# Altium PCB StarKit PCB.PcbDoc (part 1 of 2) (continued)
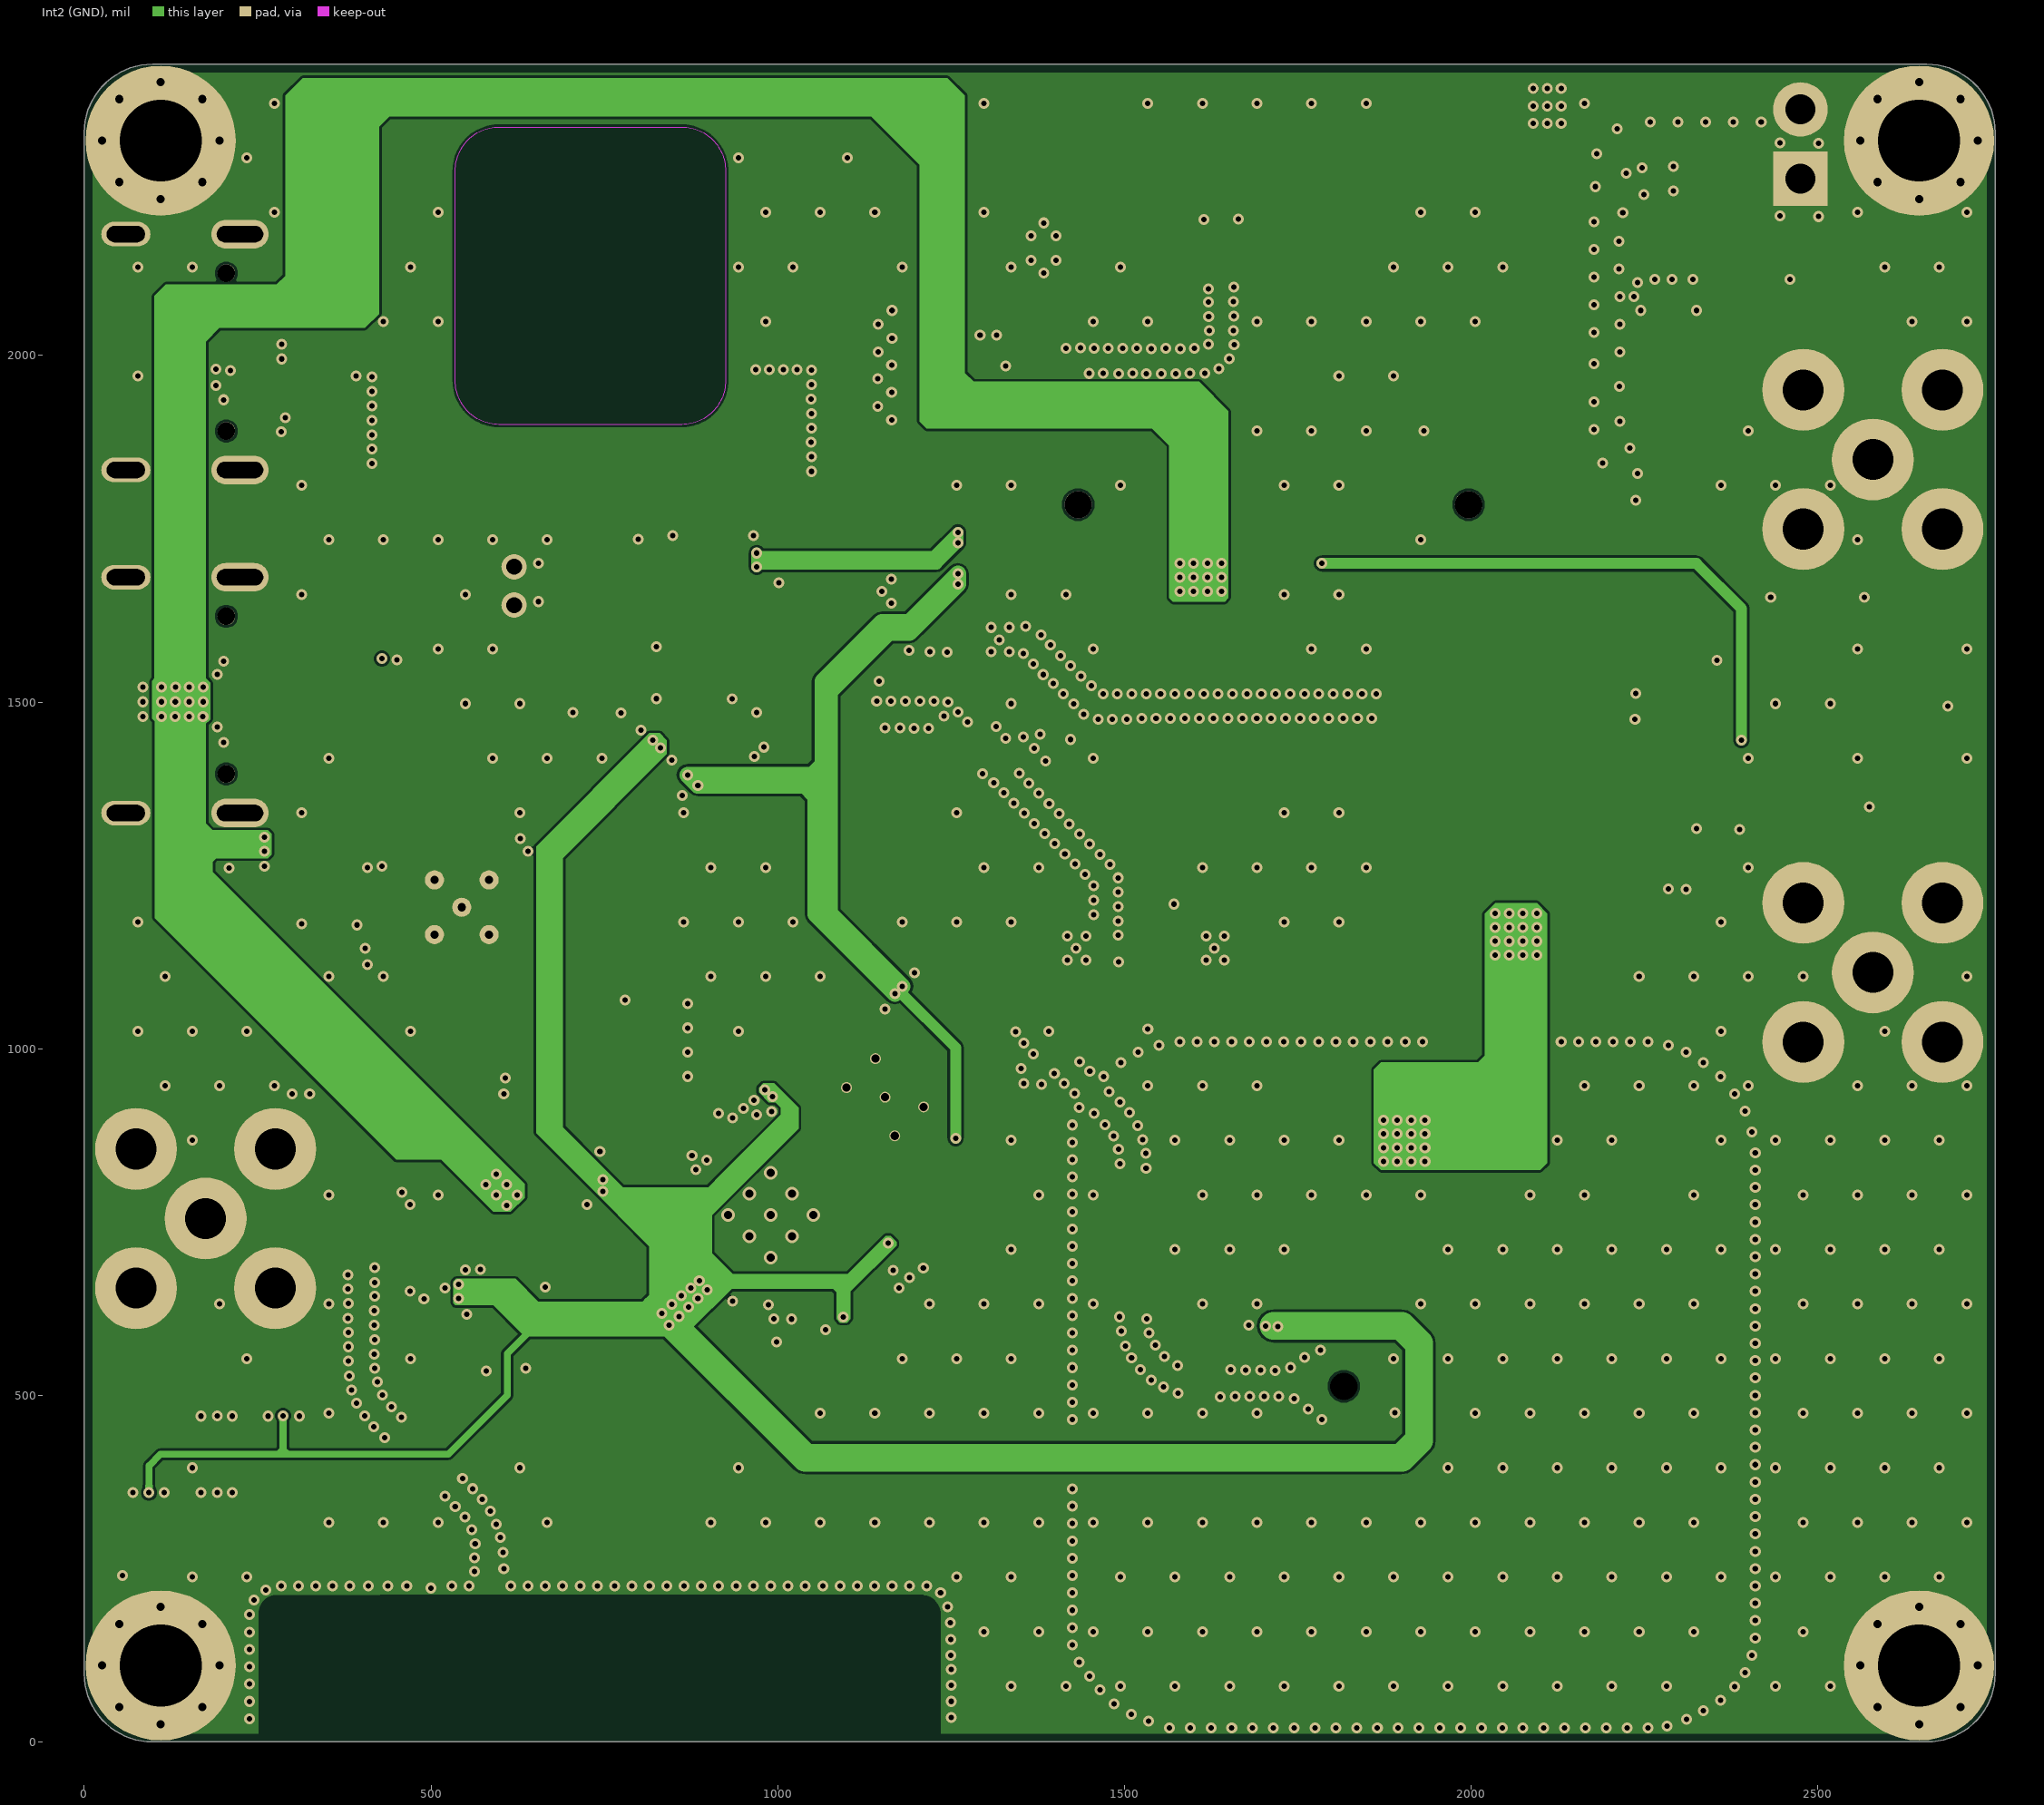
[diagram p3: Int2 (GND)]
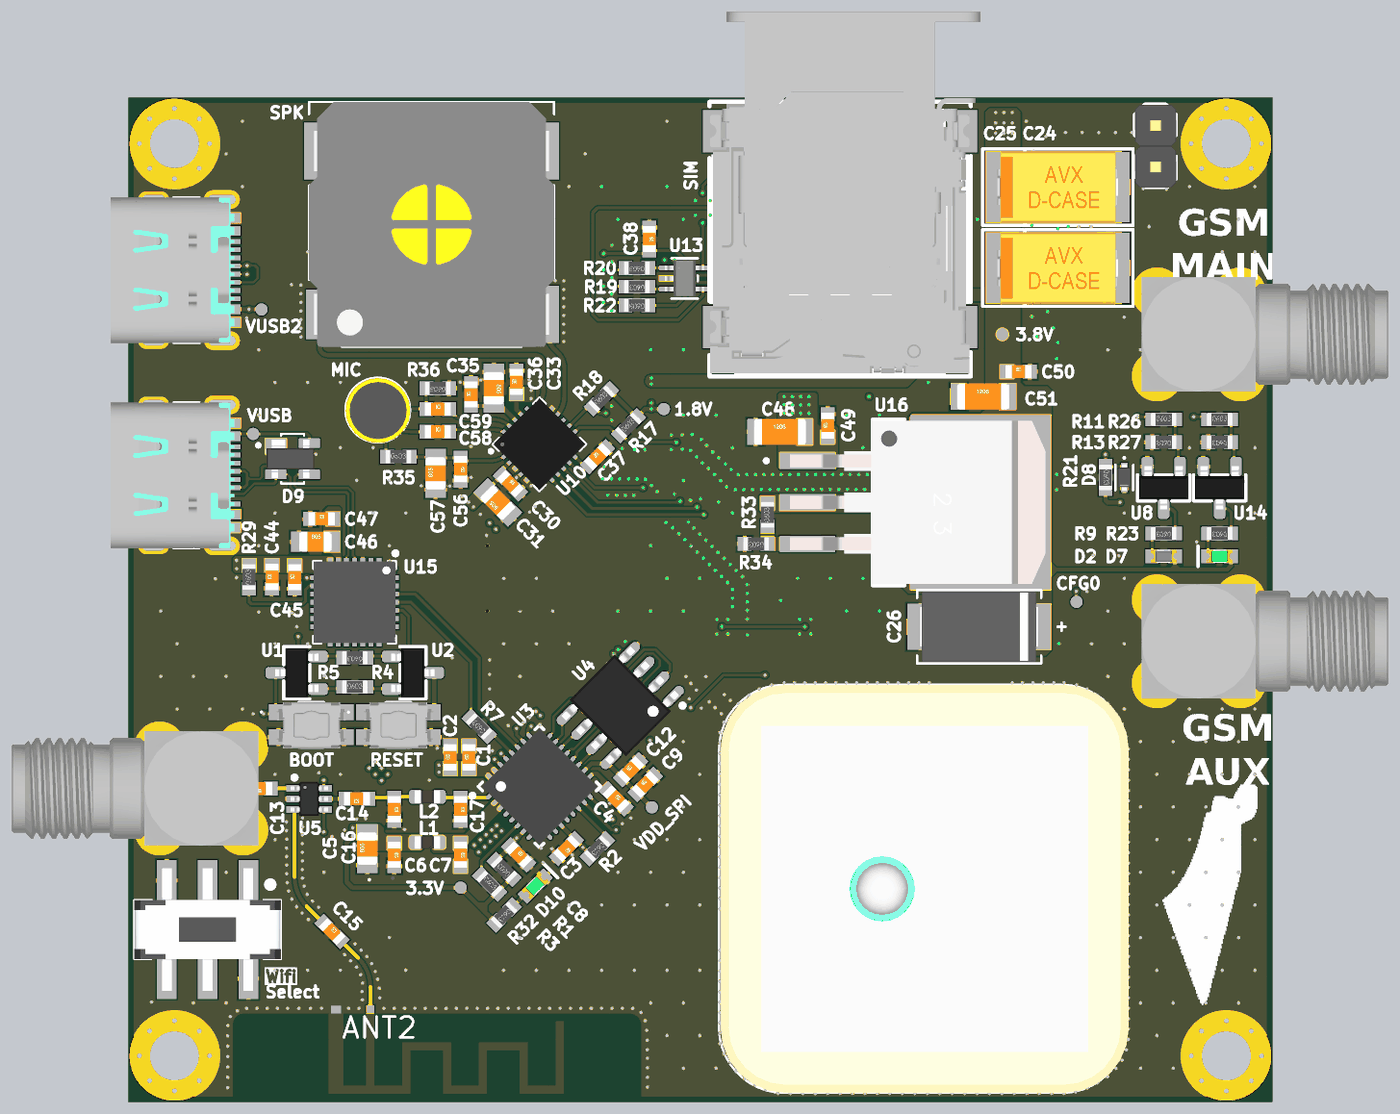
[diagram p5: 3D render of the assembled board from above, using the file's embedded part models]
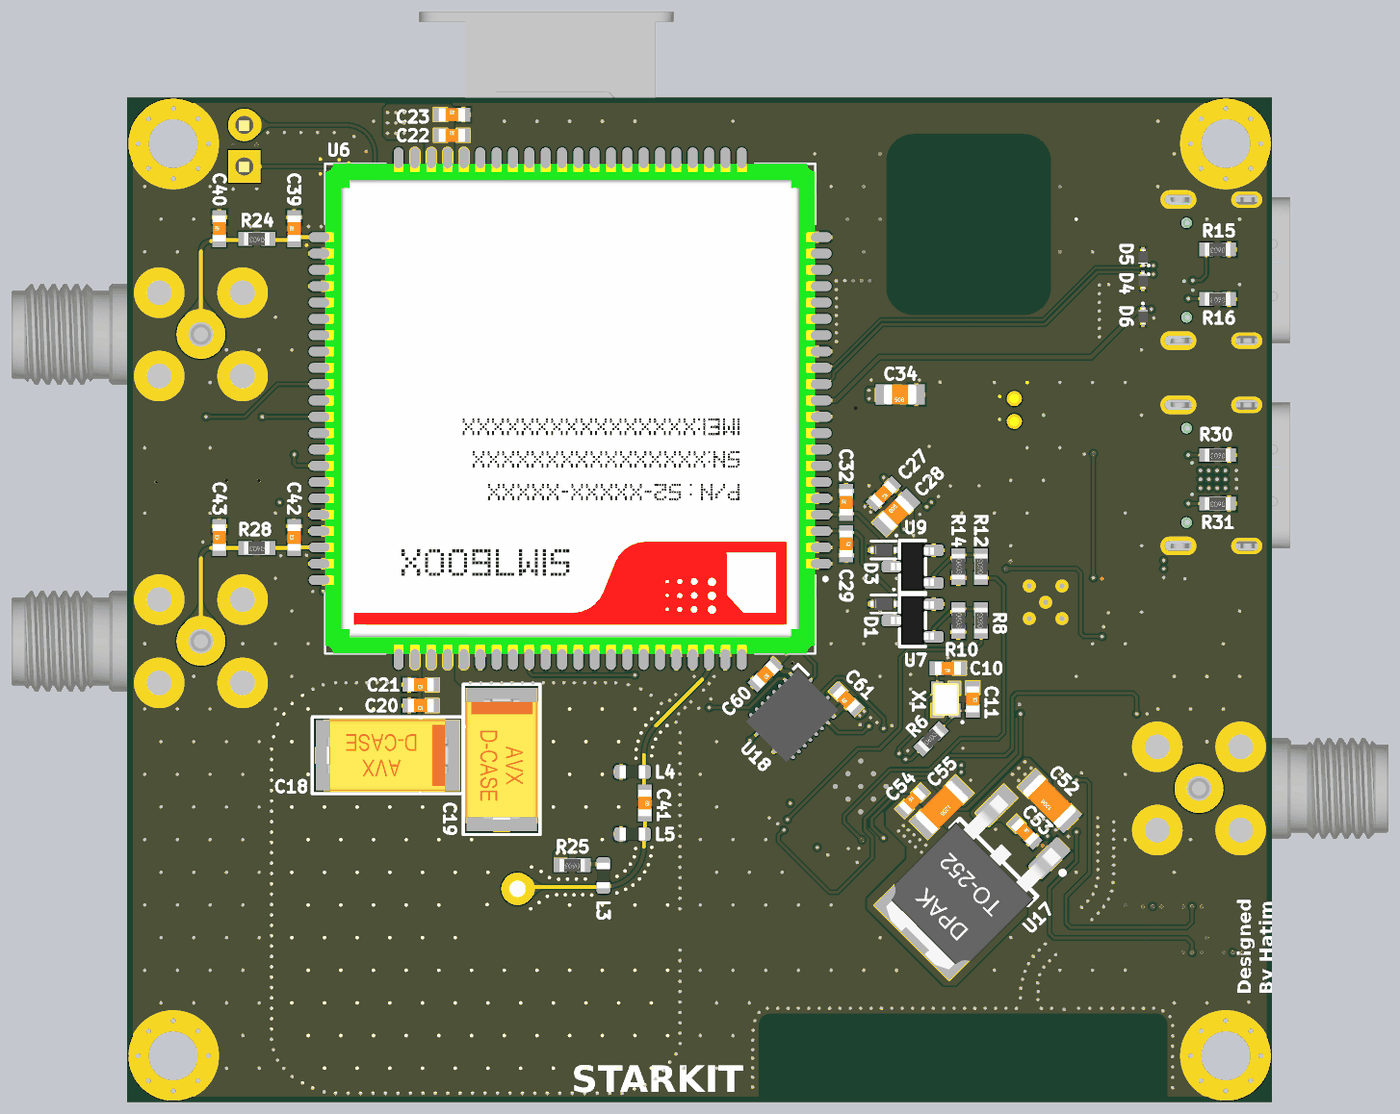
[diagram p6: 3D render of the assembled board from below, using the file's embedded part models]

## Layer stack, top to bottom
Top Solder: solder mask 1.2, SM-001, Dk 3.8
Top Layer: signal copper 1.378
Prepreg 1: prepreg 8.284, PP-022, Dk 4.4
Int1 (GND): signal copper 0.598
Core: core 41.929, Core-042, Dk 4.6
Int2 (GND): signal copper 0.598
Prepreg 2: prepreg 8.284, PP-022, Dk 4.4
Bottom Layer: signal copper 1.378
Bottom Solder: solder mask 1.2, SM-001, Dk 3.8

## Board outline
0,98.43 0,2321.65 cw(c98.43,2321.65) 98.43,2420.08 2657.48,2420.08 cw(c2657.48,2321.65) 2755.91,2321.65 2755.91,98.43 cw(c2657.48,98.43) 2657.48,0 98.43,0 cw(c98.43,98.43)

## Design rules (kind name [scope] priority, off if disabled: settings)
BoardOutlineClearance [All] p1: gap=11.81 ignorepadtopadclearanceinfootprint=FALSE
Clearance [All] p1: gap=3.5 ignorepadtopadclearanceinfootprint=TRUE except(5: Arc-SMDPad Arc-Via Track-SMDPad Track-Via SMDPad-SMDPad THPad-THPad Via-Via; 7.87: Arc-THPad Track-THPad; 10: Arc-Hole Track-Hole)
DiffPairsRouting [All] p1: maxlimit=10 minlimit=5 mostfreqgap=10 toplayer_maxgap=5 toplayer_prefgap=5 toplayer_minwidth=5.57 toplayer_maxwidth=5.57 toplayer_prefwidth=5.57 bottomlayer_maxgap=5 bottomlayer_prefgap=5 bottomlayer_minwidth=5.57 bottomlayer_maxwidth=5.57 bottomlayer_prefwidth=5.57 impedanceprofiledriven=TRUE impedanceprofileid={21DF9287-8FAB-4735-AA16-4D3EA3C09C84} impedanceprofilevalue=90.000000 maxuncoupledlength=500
FabricationTestpoint [All] p1: side=3 testpointundercomponent=TRUE minsize=40 maxsize=100 preferedsize=60 minholesize=0 maxholesize=40 preferedholesize=32 testpointgrid=1 allowsidetop=TRUE allowsidebottom=TRUE usegrid=TRUE gridtolerance=0.01 boardedgeclearance=11.81
Height [All] p1: minheight=0 maxheight=1968.5 prefheight=500
HoleSize [All] p1: absolutevalues=TRUE maxlimit=248.03 minlimit=11.81 maxpercent=80.000 minpercent=20.000
PolygonConnect [All] p1: thpad.connectstyle=Relief thpad.reliefconductorwidth=40 thpad.reliefentries=4 thpad.polygonreliefangle="90 Angle" thpad.airgapwidth=5 smdpad.connectstyle=Relief smdpad.reliefconductorwidth=10 smdpad.reliefentries=4 smdpad.polygonreliefangle="90 Angle" smdpad.airgapwidth=5 via.connectstyle=Direct via.reliefconductorwidth=10 via.reliefentries=4 via.polygonreliefangle="90 Angle" via.airgapwidth=10
RoutingVias [All] p1: holewidth=11.81 width=50 viastyle="Through Hole" minholewidth=7.87 minwidth=15.75 maxholewidth=248.03 maxwidth=50
ShortCircuit ShortCircuit_1 [InNet('ANT_2')] p1: allowed=TRUE
ShortCircuit [All] p2: allowed=FALSE
SolderMaskExpansion [All] p1: expansion=1.97 istentingtop=FALSE useseparateexpansions=TRUE expansionbottom=1.97 istentingbottom=FALSE
UnRoutedNet [All] p1: checkbadconnections=TRUE
Width Width_1 [InNetClass('ANT')] p1: maxlimit=9.01 minlimit=5.51 preferedwidth=9.01 toplayer_minwidth=9.01 midlayer1_maxwidth=5.51 midlayer1_prefwidth=5.51 midlayer2_maxwidth=5.51 midlayer2_prefwidth=5.51 bottomlayer_minwidth=9.01 impedanceprofiledriven=TRUE impedanceprofileid={3E453669-F56F-4F7C-97FF-DE6956FDC06F} impedanceprofilevalue=50.000000 minimp=50.000000 maximp=50.000000 favimp=50.000000
Width [All] p2: maxlimit=590.55 minlimit=3.5 preferedwidth=6.68 midlayer1_minwidth=5 midlayer1_prefwidth=5.51 midlayer2_minwidth=5 midlayer2_prefwidth=5.51 minimp=50.000000 maximp=50.000000 favimp=50.000000
24 further rules are at their usual default settings.

## Classes and differential pairs
net class USBDIFF: USB_2_N USB_2_P USB_N USB_P
net class ANT: ANT_1 ANT_2 AUX_ANT AUX_FEED ESP32_ANT ESP32_LNA GNSS_ANT GNSS_FEED MAIN_ANT MAIN_FEED RF_J2 RF_J3 RF_SW
component class USB: C44 C45 C46 C47 D9 "ESP32 DEBUG/ BOARD PWR" R29 R30 R31 U15
component class Speaker: SPK
component class Power: C48 C49 C50 C51 C52 C53 C54 C55 D10 R32 R33 R34 U16 U17
component class Microphone: C56 C57 C58 C59 MIC R35 R36
component class Main: 1.8V 3 3.3V 3.8V MH1 MH2 MH3 MH4 VDD_SPI VUSB
component class "Main Controller": 3 BOOT C1 C2 C3 C4 C5 C6 C7 C8 C9 C10 C11 C12 C13 C14 C15 C16 C17 L1 L2 R1 R2 R3 R4 R5 R6 R7 RESET "TRACE WIFI" U1 U2 U3 U4 U5 WIFISMA X1
component class "Level Shifter": 45 C60 C61 U18
component class GPRS_GNSS: 0 3 ADC AUX C18 C19 C20 C21 C22 C23 C24 C25 C26 C27 C28 C29 C30 C31 C32 C33 C34 C35 C36 C37 C38 C39 C40 C41 C42 C43 CFG0 D1 D2 D3 D4 D5 D6 D7 D8 GNSS L3 L4 L5 R8 R9 R10 R11 R12 R13 R14 R15 R16 R17 R18 R19 R20 R21 R22 R23 R24 R25 R26 R27 R28 "SIM7600 DEBUG" U7 U8 U9 U10 U11 U13 U14
differential pair XTAL: +XTAL_P -XTAL_N
differential pair USB: +USB_P -USB_N
differential pair USB_2: +USB_2_P -USB_2_N

## Components (designator, comment, footprint, x,y, rotation, side; value= is the part's Value field where it differs from the comment)
1.8V "5010" "TEST POINT"#1 1290,1670 r90 top value=Red (schematic designator TP5)
3.3V "5010" "TEST POINT"#1 799.96,516.06 r90 top value=Red (schematic designator TP4)
3.8V "5010" "TEST POINT"#2 2125,1805 r90 top value=Red (schematic designator TP3)
ADC "ADC IN" "CON: PLS-2" 2475,2305 r90 top (schematic designator J1)
AUX "SMA" "SMA RIGHT DIGIKEY" 2579.61,1110 r270 top (schematic designator ANT4)
BOOT "SPST" "TACTILE SWITCH RKC2SJF170SMTRLFS" 440,909 r0 top (schematic designator SW1)
C1 "1UF" "CAP: 0603" 820,830 r90 top
C2 "10nF" "CAP: 0603" 775,830 r90 top
C3 "0.1UF" "CAP: 0603" 1055.51,610.51 r225 top
C4 "0.1UF" "CAP: 0603" 1175,730 r315 top
C5 "10UF" "CAP: 0805" 575,610 r90 top
C6 "0.1UF" "CAP: 0603" 640,595 r270 top
C7 "0.1UF" "CAP: 0603" 800,595 r270 top
C8 "2.2UF" "CAP: 0603" 940,595 r315 top
C9 "1UF" "CAP: 0603" 1245,765 r45 top
C10 "12pF" "CAP: 0603" 780,1045 r0 bottom
C11 "12pF" "CAP: 0603" 720,970 r270 bottom
C12 "0.1UF" "CAP: 0603" 1210,800 r45 top
C13 "100pF" "CAP: 0603" 315,755 r180 top
C14 "100pF" "CAP: 0603" 550,730 r180 top
C15 "100pF" "CAP: 0603" 490,410 r315 top
C16 "5pF" "CAP: 0603" 640,705 r270 top
C17 "6pF" "CAP: 0603" 800,705 r270 top
C18 "100UF" "CAP: TANTAL-D" 2130,835 r0 bottom
C19 "100UF" "CAP: TANTAL-D" 1855,825 r270 bottom
C20 "1UF" "CAP: 0603" 2050,955 r0 bottom
C21 "0.1UF" "CAP: 0603" 2050,1005 r0 bottom
C22 "0.1UF" "CAP: 0603" 1975,2330 r180 bottom
C23 "1UF" "CAP: 0603" 1975,2380 r180 bottom
C24 "100UF" "CAP: TANTAL-D" 2240,2010 r0 top
C25 "100UF" "CAP: TANTAL-D" 2240,2205 r0 top
C26 "470UF" "CAP POLY: 7.3X4.3X2.8" 2050,1145 r180 top
C27 "0.1UF" "CAP: 0603" 935,1465 r315 bottom
C28 "4.7UF" "CAP: 0805" 905,1420 r135 bottom
C29 "0.1UF" "CAP: 0603" 1025,1345 r270 bottom
C30 "0.1UF" "CAP: 0603" 920,1490 r315 top
C31 "4.7UF" "CAP: 0805" 890,1445 r135 top
C32 "0.1UF" "CAP: 0603" 1025,1445 r90 bottom
C33 "0.1UF" "CAP: 0603" 935,1735 r90 top
C34 "4.7UF" "CAP: 0805" 895,1705 r0 bottom
C35 "0.1UF" "CAP: 0603" 825,1705 r90 top
C36 "4.7UF" "CAP: 0805" 880,1720 r270 top
C37 "100pF" "CAP: 0603" 1130,1555 r45 top
C38 "0.1UF" "CAP: 0603" 1255,2080 r270 top
C39 "DNP" "CAP: 0603" 2355,2105 r90 bottom
C40 "DNP" "CAP: 0603" 2535,2105 r90 bottom
C41 "33pF" "CAP: 0603" 1510,720 r270 bottom
C42 "DNP" "CAP: 0603" 2355,1360 r90 bottom
C43 "DNP" "CAP: 0603" 2535,1360 r90 bottom
C44 "1UF" "CAP: 0603" 345,1265 r90 top
C45 "0.1UF" "CAP: 0603" 400,1264.33 r90 top
C46 "4.7UF" "CAP: 0805" 450,1350 r0 top
C47 "0.1UF" "CAP: 0603" 465,1405 r0 top
C48 "22UF" "CAP: 1206" 1570,1615 r0 top
C49 "0.1UF" "CAP: 0603" 1685,1630 r90 top
C50 "0.1UF" "CAP: 0603" 2145,1760 r0 top
C51 "22UF" "CAP: 1206" 2060,1700 r0 top
C52 "22UF" "CAP: 1206" 535,725 r45 bottom
C53 "0.1UF" "CAP: 0603" 595,650 r225 bottom
C54 "0.1UF" "CAP: 0603" 865,725 r135 bottom
C55 "22UF" "CAP: 1206" 795,710 r315 bottom
C56 "0.1UF" "CAP: 0603" 800,1525 r270 top
C57 "4.7UF" "CAP: 0805" 740,1515 r90 top
C58 "1UF" "CAP: 0603" 745,1615 r0 top
C59 "1UF" "CAP: 0603" 745,1670 r0 top
C60 "0.1UF" "CAP: 0603" 1220,1030 r315 bottom
C61 "0.1UF" "CAP: 0603" 1025,970 r45 bottom
CFG0 "5010" "TEST POINT"#1 2285,1205 r90 top value=Red (schematic designator TP7)
D1 "ESD5B5.0ST1G" SOD-523-2 935,1200 r0 bottom
D2 "BLUE" "LED: 0603B" 2495,1315 r0 top
D3 "ESD5B5.0ST1G" SOD-523-2 935,1330 r0 bottom
D4 "ESD9L5.0ST5G" SOD-923-2 310,1980 r270 bottom
D5 "ESD9L5.0ST5G" SOD-923-2 310,2035 r90 bottom
D6 "ESD9L5.0ST5G" SOD-923-2 310,1894.05 r270 bottom
D7 "GREEN" "LED: 0603G" 2630,1315 r0 top
D8 "ESD5B5.0ST1G" SOD-523-2 2400,1505 r270 top
D9 "SP0503BAHTG" SOT143-4 395,1550 r270 top value=30pF
D10 "GREEN" "LED: 0603G" 980,520 r225 top
"ESP32 DEBUG/ BOARD PWR" "USB_C" AMPHENOL_12402012E212A#1 60,1510 r270 top (schematic designator P2)
GNSS "APAE" "CERAMIC PATCH ANTENNA 25X25" 1915,512.95 r90 top (schematic designator ANT5)
L1 "2nH" "IND: 0603" 720,625 r0 top
L2 "1.5nH" "IND: 0603" 720,735 r0 top
L3 "47nH" "IND: 0603" 1610,545 r90 bottom
L4 "DNP" "IND: 0603" 1540,795 r180 bottom
L5 "DNP" "IND: 0603" 1540,645 r180 bottom
MAIN "SMA" "SMA RIGHT DIGIKEY" 2579.61,1850 r270 top (schematic designator ANT3)
MH1 "M3" "M3 MOUNTING HOLE" 110.24,110.24 r0 top locked
MH2 "M3" "M3 MOUNTING HOLE" 2646.21,110.24 r0 top locked
MH3 "M3" "M3 MOUNTING HOLE" 110.24,2310 r0 top locked
MH4 "M3" "M3 MOUNTING HOLE" 2646.21,2310 r0 top locked
MIC "CMEJ-0415-42-LP" CMEJ041542LP 620,1640 r90 top
R1 "10K" "RES: 0603" 905,560 r135 top
R2 "10K" "RES: 0603" 1130,610 r225 top
R3 "10K" "RES: 0603" 870,525 r315 top
R4 "1K" "RES: 0603" 545,1000 r0 top
R5 "1K" "RES: 0603" 545,1070 r180 top
R6 "0" "RES: 0603" 820.51,874.49 r135 bottom
R7 "499" "RES: 0603" 845,905 r135 top
R8 "4.7K" "RES: 0603" 700,1160 r90 bottom
R9 "1K" "RES: 0603" 2495,1370 r180 top
R10 "47K" "RES: 0603" 755,1160 r270 bottom
R11 "4.7K" "RES: 0603" 2495,1645 r0 top
R12 "4.7K" "RES: 0603" 700,1290 r90 bottom
R13 "47K" "RES: 0603" 2495,1590 r180 top
R14 "47K" "RES: 0603" 755,1290 r270 bottom
R15 "5.1K" "RES: 0603" 130,2055 r0 bottom
R16 "5.1K" "RES: 0603" 130,1935 r0 bottom
R17 "2.2K" "RES: 0603" 1205,1630 r45 top
R18 "2.2K" "RES: 0603" 1140,1695 r45 top
R19 "22" "RES: 0603" 1225,1965 r180 top
R20 "22" "RES: 0603" 1225,2010 r180 top
R21 "4.7K" "RES: 0603" 2355,1505 r270 top
R22 "22" "RES: 0603" 1225,1920 r180 top
R23 "1K" "RES: 0603" 2630,1370 r180 top
R24 "0 Ohm" "RES: 0603" 2445,2080 r0 bottom
R25 "10" "RES: 0603" 1685,570 r0 bottom
R26 "4.7K" "RES: 0603" 2630,1645 r0 top
R27 "47K" "RES: 0603" 2630,1590 r180 top
R28 "0 Ohm" "RES: 0603" 2445,1335 r0 bottom
R29 "4.7K" "RES: 0603" 290,1265 r90 top
R30 "5.1K" "RES: 0603" 130,1559 r0 bottom
R31 "5.1K" "RES: 0603" 130,1442 r0 bottom
R32 "1K" "RES: 0603" 905,450 r225 top
R33 "2.43K" "RES: 0603" 1540,1415 r90 top
R34 "5K" "RES: 0603" 1512.5,1345 r180 top
R35 "2.2K" "RES: 0603" 650,1555 r0 top
R36 "2.2K" "RES: 0603" 745,1720 r180 top
RESET "SPST" "TACTILE SWITCH RKC2SJF170SMTRLFS" 650,909 r0 top (schematic designator SW2)
Select "DPDT" "DPDT SWITCH" 190,415 r180 top (schematic designator SW3)
SIM "SMN-327" SIM_NANO_SMN-327 1715,2103.82 r180 top (schematic designator U12)
"SIM7600 DEBUG" "USB_C" AMPHENOL_12402012E212A#2 60,2005 r270 top (schematic designator P1)
"SMA WIFI" "SMA" "SMA RIGHT DIGIKEY" 175,755 r90 top (schematic designator ANT1)
SPK "FS-1340" SPKR_SMS-1508MS-HT-R 730,2115 r0 top
"TRACE WIFI" "2.4-GHz  Antenna" ANT_2.4_AN043 604.25,178 r180 top (schematic designator ANT2)
U1 "MMBT2222A-7-F" SOT23_3 405,1034 r180 top
U2 "MMBT2222A-7-F" SOT23_3 685,1034 r0 top
U3 "ESP32-C3FH4" QFN-32 990,760 r45 top
U4 "AT25SF041B-SSHB-B" 8-SOIC 1185,955 r225 top
U5 "AS179-92LF" SC70-6 435,730 r0 top
U6 "SIM7600E-H" SIM7600X 1690,1670.98 r0 bottom
U7 "MMBT2222A-7-F" SOT23_3 865,1160 r0 bottom
U8 "MMBT2222A-7-F" SOT23_3 2495,1480 r270 top
U9 "MMBT2222A-7-F" SOT23_3 865,1290 r0 bottom
U10 "NAU8810YG" "20-QFN (4X4)" 990,1585 r45 top
U13 "ESDA6V1W5" SOT323-5L 1340,1985 r0 top value=90pF
U14 "MMBT2222A-7-F" SOT23_3 2630,1480 r270 top
U15 "CP2102-GMR" "28-QFN (5X5)" 544.45,1204.06 r270 top
U16 "LM1085ISX-ADJ" TO263-3 1845,1445 r270 top
U17 "LD1086DT33TR" DPAK 690,560 r315 bottom
U18 "TXB0108RGYR" "20-VQFN (3.5X4.5)" 1155,930 r225 bottom
VDD_SPI "5010" "TEST POINT"#1 1261.34,709.65 r90 top value=Red (schematic designator TP6)
VUSB "5010" "TEST POINT"#1 300,1610 r90 top value=Red (schematic designator TP1)
VUSB2 "5010" "TEST POINT"#1 320,1910 r90 top value=Red (schematic designator TP2)
X1 "40MHz" "4-SMD, NO LEAD ECS" 785,970 r0 bottom
